# Altium PCB Main_Board.PcbDoc (part 16 of 19) (continued)
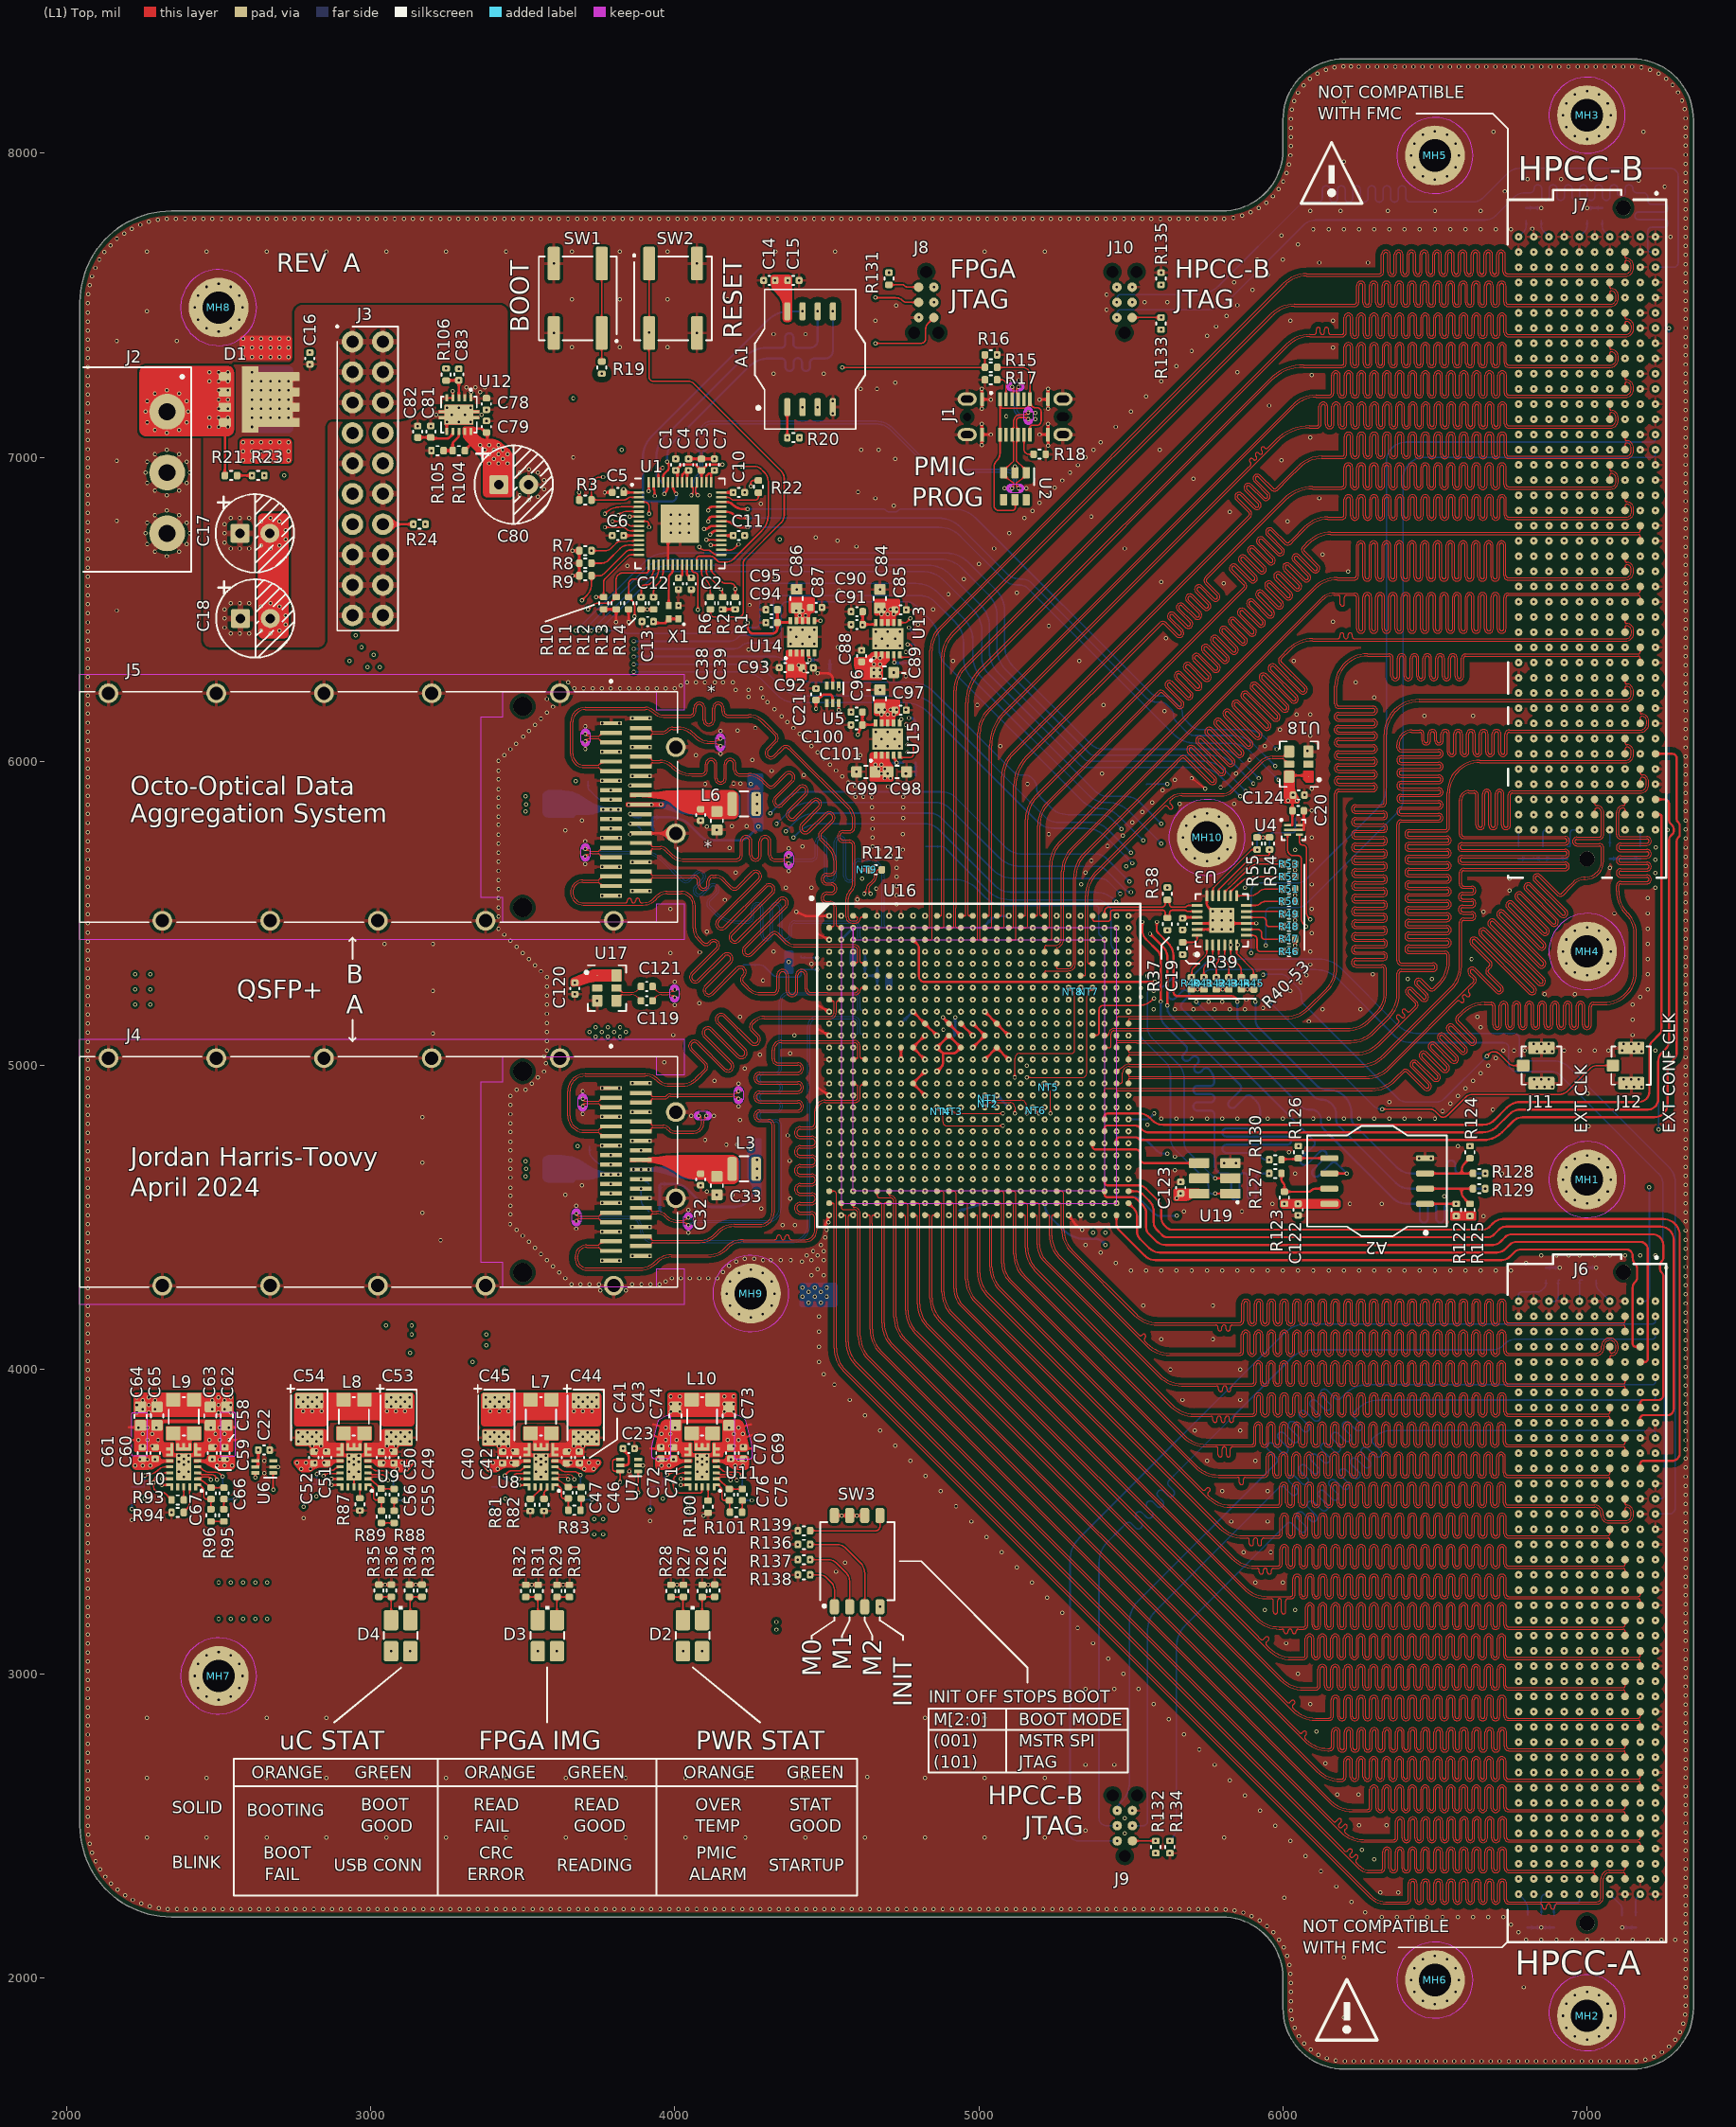
[diagram p0: (L1) Top view]
## Nets (pads, with @x,y where several pads share a name; then routed paths per layer and width w, separated by ;. In a path a pad name is that pad's centre, name@x,y a point inside that pad or via, vN(x,y) a via of type N, cw(c..) or ccw(c..) an arc to the next point about the centre after c; other vN are vias at no path point) (continued)
NetD3_4: D3.4 R31.2 R32.2 | length 117.4
  (L1) Top w5: R32.2@3509.97,3252.12 R31.2@3551,3252.12 ccw(c3554.61,3248.51) 3549.5,3248.51 D3.4@3549.5,3176.18
NetD4_2: D4.2 R33.2 R34.2 | length 119.1
  (L1) Top w5: D4.2@3130.15,3176.18 3130.15,3244.86 ccw(c3119.11,3244.86) R34.2@3126.92,3252.67 R33.2@3168.66,3252.67
NetD4_4: D4.4 R35.2 R36.2 | length 117.8
  (L1) Top w5: R35.2@3027.01,3252.67 R36.2@3068.04,3252.68 ccw(c3070.17,3250.55) 3067.16,3250.55 D4.4@3067.16,3176.18
NetJ1_A5: J1.A5 R17.2 | length 86.7
  (L1) Top w5: R17.2@5060.08,7255 5075,7255 cw(c5075,7240.53) 5089.47,7240.53 J1.A5@5089.47,7191.46
NetJ1_B5: J1.B5 R18.2 | length 88.9
  (L1) Top w5: J1.B5@5148.53,7074.54 5148.53,7026.47 ccw(c5165,7026.47) 5165,7010 R18.2@5179.92,7010
NetJ8_1: J8.1 R131.1 | length 99.9
  (L1) Top w5: R131.1@4704.41,7567.15 4749.8,7567.15 cw(c4749.8,7559.8) 4754.99,7565.01 4756.46,7563.54 ccw(c4765,7572.07) 4765,7560 4801.74,7560 J8.1@4802.08,7559.66
NetJ9_1: J9.1 R132.1 | length 76.7
  (L1) Top w5: J9.1@5505,2450 5574.43,2450 v1(5581.72,2450.08)
NetJ10_1: J10.1 R133.1 | length 95.6
  (L1) Top w5: J10.1@5504.01,7459.66 5504.08,7459.74 v1(5599.01,7459.74) R133.1@5599.01,7460.34
NetL7_1: L7.1 L7.2 U8.7
NetL8_1: L8.1 L8.2 U9.7
NetL9_1: L9.1 L9.2 U10.7
NetL10_1: L10.1 L10.2 U11.7
NetR6_1: R6.1 U1.26 | length 115.5
  (L1) Top w5: U1.26@4087.87,6646.67 4087.87,6622.22 ccw(c4112.22,6622.22) 4095,6605 4104.39,6595.61 cw(c4074.3,6565.51) 4116.86,6565.51 R6.1@4116.86,6540.31
NetR19_1: R19.1 SW1.1 SW1.2 | length 322.5
  (L1) Top w4: SW1.2@3759.61,7637.17 SW1.1@3759.61,7408.83 3759.61,7315.08 R19.1@3760,7315.08
NetR21_1: R21.1 R22.2 R23.2 | length 1960.9
  (L1) Top w5: v1(4250,6905) 4250,6915 cw(c4258.75,6915) 4258.75,6923.75 R22.2@4275,6923.75
  (L1) Top w8: R21.1@2560.63,6940 R23.2@2609.92,6940
  (L3) Inner 2 w4: v1(2610,6940) 2610,6925 ccw(c2625,6925) 2625,6910 2665,6910 ccw(c2665,6925) 2680,6925 2680,6930 cw(c2690,6930) 2690,6940 v1(2715,6940)
  (L3) Inner 2 w5: v1(2715,6940) 2877.93,6940 cw(c2877.93,6922.93) 2890,6935 ccw(c2901.49,6946.49) 2901.49,6930.24 3258.21,6930.24 cw(c3258.21,6878.21) 3295,6915 3359.39,6850.61 ccw(c3385,6876.21) 3385,6840 3571.72,6840 ccw(c3571.72,6908.28) 3620,6860 3654.39,6894.39 cw(c3680,6868.79) 3680,6905 3766.72,6905 cw(c3766.72,6827.49) 3821.52,6882.3 3904.45,6799.37 ccw(c3915,6809.92) 3915,6795 3930,6795 ccw(c3930,6805) 3940,6805 3940,6830 cw(c3960,6830) 3960,6850 4230,6850 ccw(c4230,6870) 4250,6870 v1(4250,6905)
NetR39_1: R39.1 U3.24 | length 65.1
  (L1) Top w5: R39.1@5670,5405.08 5703.12,5405.08 ccw(c5703.12,5421.88) 5715,5410 ccw(c5707.76,5417.24) 5718,5417.24 U3.24@5718,5427.94
NetR52_1: R52.1 U3.14 | length 203.3
  (L1) Top w5: U3.14@5828.24,5557.87 5828.33,5573.08 5828.92,5573.68 5864.59,5605.4 cw(c5900,5569.77) 5900,5620 5997.02,5620 ccw(c5997.02,5624.1) v1(5999.92,5621.2)
NetR53_1: R53.1 U3.15 | length 239.4
  (L1) Top w5: U3.15@5808.55,5557.87 5810.78,5573.08 5845,5605 5890.54,5650.54 cw(c5920.01,5621.08) 5920.01,5662.75 5998.68,5662.75 cw(c5998.68,5660.99) v1(5999.92,5662.24)
NetR80_1: R80.1 U8.4 | length 133.6
  (L1) Top w4: U8.4@3606.26,3680 3616.07,3677.08 3625,3669.89 ccw(c3637.07,3681.96) 3637.07,3664.89 ; 3638,3664.89 3665.27,3664.89 cw(c3665.27,3634.16) 3687,3655.89 v1(3690.29,3652.6)
  (L12) Bottom w4: R80.1@3690,3612.05 3690.29,3617.36 v1(3690.29,3652.6) cw(c3688.59,3650.89) v1@3691,3650.89
NetR81_2: R81.2 U8.15 | length 53.9
  (L1) Top w5: R81.2@3525,3574.88 3532.28,3580.19 3557.58,3604.74 U8.15@3560,3614.06
NetR82_2: R82.2 U8.16 | length 41.8
  (L1) Top w5: R82.2@3570,3574.88 3570,3593.59 cw(c3575,3593.59) 3571.02,3596.62 3577.26,3604.74 U8.16@3579.68,3614.06
NetR84_1: R84.1 R85.2 U8.10 | length 159.5
  (L1) Top w4: v1(3441,3651.89) 3451,3661.89 ; 3451.76,3662.65 cw(c3462,3652.4) 3462,3666.89 3487.76,3666.89 ; 3488,3666.89 3487.76,3666.89 ; U8.10@3513.74,3680 3503.93,3677.08 3495,3669.89 cw(c3487.76,3677.13) 3487.76,3666.89
  (L12) Bottom w4: R85.2@3398,3613.89 3439.49,3613.89 ccw(c3439.49,3618) R84.1@3442.4,3615.09 ; v1(3441,3651.89) 3441,3623.72 ccw(c3447.83,3623.72) R84.1@3443,3618.89
NetR86_1: R86.1 U9.4 | length 132
  (L1) Top w4: U9.4@2991.26,3680 3001.07,3677.08 3011.49,3669.89 ccw(c3016.32,3674.72) 3016.32,3667.89 ; 3016.49,3667.89 3033.45,3667.89 cw(c3033.45,3609.85) v1(3074.49,3650.89)
  (L12) Bottom w4: R86.1@3073.49,3609.97 ccw(c3071.08,3612.38) 3074.49,3612.38 v1(3074.49,3650.89)
NetR87_2: R87.2 U9.16 | length 37.3
  (L1) Top w4: R87.2@2964.49,3576.88 2964.68,3577.07 U9.16@2964.68,3614.06
NetR88_1: R88.1 R89.2 | length 41.7
  (L1) Top w4: R89.2@3035.42,3495.61 R88.1@3077.15,3495.61
NetR90_1: R90.1 R91.2 U9.10 | length 152.4
  (L1) Top w4: v1(2822.49,3656.89) 2827.49,3661.89 cw(c2844.39,3644.99) 2844.39,3668.89 2872.68,3668.89 ccw(c2872.68,3680.13) 2876.98,3669.75 ccw(c2870.72,3684.87) 2882.29,3673.29 cw(c2892.14,3663.45) 2887.51,3676.58 2888.93,3677.08 U9.10@2892.14,3677.37
  (L12) Bottom w4: R91.2@2779.49,3621.97 cw(c2781.91,3619.55) 2781.91,3622.97 R90.1@2821.49,3622.97 ccw(c2819.08,3625.38) 2822.49,3625.38 v1(2822.49,3656.89)
NetR92_1: R92.1 U10.4 | length 127.5
  (L1) Top w4: U10.4@2431.26,3680 2438.15,3680 2445.26,3672.89 ccw(c2469.4,3697.03) 2469.4,3662.89 2487.9,3662.89 cw(c2487.9,3635.58) 2507.21,3654.9 v1(2513.51,3648.6)
  (L12) Bottom w4: v1(2513.51,3648.6) 2513.51,3614.68 R92.1@2514.22,3613.97
NetR93_1: R93.1 U10.15 | length 42.9
  (L1) Top w4: U10.15@2385,3614.06 2385,3571.57 R93.1@2385.3,3571.27
NetR94_2: R94.2 U10.16 | length 90.4
  (L1) Top w4: R94.2@2385.3,3530.24 cw(c2390.4,3530.24) 2386.79,3533.84 2396.09,3543.14 ccw(c2375.34,3563.89) 2404.68,3563.89 U10.16@2404.68,3614.06
NetR95_1: R95.1 R96.2 | length 42.4
  (L1) Top w4: R96.2@2474.53,3500.54 R95.1@2516.94,3500.54
NetR97_1: R97.1 R98.2 U10.10 | length 167.6
  (L1) Top w4: v1@2258.22,3652.89 2258.76,3652.89 ccw(c2258.76,3714.35) 2302.22,3670.89 cw(c2324.21,3648.9) 2324.21,3680 U10.10@2338.74,3680
  (L12) Bottom w4: R98.2@2212.22,3614.89 2214.97,3614.9 2222.25,3614.94 2249.34,3614.94 R97.1@2256.62,3615.09 ; R97.1@2256.22,3616.89 2257.22,3617.89 v1(2257.22,3651.89)
NetR99_1: R99.1 U11.4 | length 135.5
  (L1) Top w4: U11.4@4136.26,3680 4146.07,3677.08 4152.51,3671.89 ccw(c4174.24,3693.62) 4174.24,3662.89 4201.51,3662.89 cw(c4201.51,3641.16) 4216.87,3656.53 v1(4221.51,3651.89)
  (L12) Bottom w4: R99.1@4221.51,3609.89 R99.1@4221.51,3609.97 v1(4221.51,3651.89)
NetR100_2: R100.2 U11.16 | length 44.3
  (L1) Top w4: R100.2@4109.51,3569.89 4109.51,3614.06 U11.16@4109.69,3614.06
NetR102_1: R102.1 R103.2 U11.10 | length 160.1
  (L1) Top w4: v1(3974.92,3654.53) 3989.38,3659.37 ccw(c3988.09,3663.15) 3989.56,3659.43 3995.2,3661.66 ccw(c3979.51,3704.76) 4011.94,3672.32 4012.51,3672.89 cw(c4029.68,3655.72) 4029.68,3680 U11.10@4043.74,3680
  (L12) Bottom w4: R103.2@3919.05,3614.94 R102.1@3960.28,3614.94 ; R102.1@3960.51,3615.89 3960.51,3630.89 cw(c3979.82,3630.89) 3966.17,3644.55 3966.2,3644.58 ccw(c3963.35,3647.39) 3966.36,3644.75 v1(3974.92,3654.53)
NetR104_1: R104.1 R105.2 U12.8 | length 100.3
  (L1) Top w8: R105.2@3239.79,7021.88 R104.1@3269.61,7021.88 3269.61,7042.81 cw(c3281.19,7042.81) 3273,7051 3287.17,7065.17 ccw(c3280.34,7072) 3290,7072 U12.8@3290,7084.88
NetR108_1: R108.1 R109.2 U13.4 | length 66.5
  (L1) Top w8: U13.4@4720.31,6350 4721.38,6348.93 4721.38,6326.55 v1(4722.45,6325.48)
  (L12) Bottom w8: v1(4722.45,6325.48) ccw(c4724.37,6325.48) 4724.37,6323.56 R109.2@4762.45,6323.56
NetR110_1: R110.1 R111.2 U14.4 | length 51.8
  (L1) Top w8: U14.4@4439.69,6356.85 4441.59,6349.04 v1(4442.71,6333.56)
  (L12) Bottom w8: v1(4442.71,6333.56) 4468.62,6333.56 cw(c4468.62,6332.1) R111.2@4470.08,6332.1
NetR111_1: R111.1 R112.2 | length 41
  (L12) Bottom w8: R112.2@4510.23,6291.07 R111.1@4510.23,6332.1
NetR114_1: R114.1 R115.2 U15.4 | length 59.3
  (L1) Top w8: U15.4@4719.69,6020 4721.59,6012.19 v1(4729.35,5995.3)
  (L12) Bottom w8: R114.1@4718.94,5995.13 4751.39,5995.13 R115.2@4751.39,5995.35
NetR115_1: R115.1 R116.2 | length 41
  (L12) Bottom w8: R116.2@4791.55,5954.31 R115.1@4791.55,5995.35
NetR139_2: R139.2 SW3.5 | length 273.9
  (L1) Top w4: R139.2@4445.08,3470 4660,3470 ccw(c4660,3485) 4675,3485 4675,3520 SW3.5@4674.61,3520
NetTP3_1: TP3.1 U1.24 | length 160.8
  (L1) Top w5: U1.24@4057.81,6645.23 U1.24@4056.37,6646.67 4056.37,6629.63 ccw(c4065,6629.63) 4065,6621 cw(c4065,6610.24) 4075.76,6610.24 v1(4075.76,6499)
NetTP4_1: TP4.1 U1.25 | length 569.7
  (L1) Top w5: U1.25@4072.12,6646.67 4072.12,6667.12 cw(c4080,6667.12) 4080,6675 4117.93,6675 cw(c4117.93,6657.93) 4130,6670 4141.46,6658.54 ccw(c4150,6667.07) 4150,6655 4167.93,6655 ccw(c4167.93,6690.24) 4192.85,6665.32 4284.07,6756.55 ccw(c4227.74,6812.88) 4307.41,6812.88 4307.41,6920.05 ccw(c4265.05,6920.05) 4295,6950 4282.07,6962.93 ccw(c4265,6945.86) 4265,6970 v1(4220,6970)
NetTP9_1: TP9.1 U16.C24 | length 712.1
  (L3) Inner 2 w4: v1@5413.39,5413 v1(5413.39,5413.39)
  (L12) Bottom w4: TP9.1@4825,5611.12 4922.46,5611.12 cw(c4922.46,5511.12) 4993.17,5581.83 5020.71,5554.29 ccw(c5091.42,5625) 5091.42,5525 5385,5525 cw(c5385,5515) 5395,5515 5395,5435 ccw(c5402.79,5435) 5397.28,5429.49 v1(5413.39,5413.39)
NetTP10_1: TP10.1 U16.D21 | length 827.3
  (L3) Inner 2 w4: v1(5295.28,5374.02) 5290.98,5374.02 cw(c5290.98,5390) 5275,5390 5275,5638.58 cw(c5375,5638.58) 5303.5,5708.49 5490.72,5895.71 cw(c5561.43,5825) 5561.43,5925 v1(5620,5925)
  (L12) Bottom w4: TP10.1@5550.29,5923.91 cw(c5552.91,5921.29) 5552.91,5925 v1(5620,5925)
NetTP12_1: TP12.1 U16.D25 | length 833.4
  (L12) Bottom w4: TP12.1@4825,5720 4875,5720 cw(c4875,5695.86) 4892.07,5712.93 5030.71,5574.29 ccw(c5101.42,5645) 5101.42,5545 5385,5545 cw(c5385,5496.72) 5419.14,5530.86 5427.93,5522.07 cw(c5410.86,5505) 5435,5505 5435,5405 ccw(c5466.94,5405) 5444.35,5382.42 v1(5452.76,5374.02)
OSC_PROG_I2C_SCL: R51.1 U3.13 U19.2 | length 1780.1
  (L1) Top w5: v1(5777,4629) U19.2@5827.18,4629 ; U3.13@5847.92,5557.87 5890.71,5557.87 ccw(c5890.71,5599.29) 5920,5570 cw(c5944.55,5545.45) 5944.55,5580.17 v1(5999.92,5580.17)
  (L3) Inner 2 w5: v1(5555,5295) 5615,5295 cw(c5615,5280) 5630,5280 5630,5250 ccw(c5647,5250) 5647,5233 5933,5233 ccw(c5933,5260.55) 5960.55,5260.55 5960.55,5565.55 cw(c5975,5565.55) 5975,5580 5999.92,5580 v1(5999.92,5580.17)
  (L12) Bottom w5: v1(5555,5295) 5555,5125.26 ccw(c5603.62,5125.14) 5569.34,5090.66 5655.82,5004.18 5655.87,5004.12 ; 5655.87,5004.13 cw(c5609.82,4958) 5675,4957.92 ; 5675,4745.02 ccw(c5711.27,4745.02) 5685.62,4719.38 5685.66,4719.34 v1@5775,4630 ; 5675,4745.05 5675,4957.87
OSC_PROG_I2C_SDA: R50.1 U3.12 U19.1 | length 1807.1
  (L1) Top w5: v1(5777,4579) U19.1@5827.18,4579 ; U3.12@5879.42,5526.37 5911.41,5526.37 ccw(c5911.41,5545.59) 5925,5532 cw(c5942.22,5514.78) 5942.22,5539.13 v1(5999.88,5539.13)
  (L3) Inner 2 w5: v1(5532.52,5225.6) 5532.52,5177.48 ccw(c5550,5177.48) 5550,5160 5906.72,5160 ccw(c5906.72,5216.21) 5946.46,5176.46 5991.46,5221.46 ccw(c5970.86,5242.07) 6000,5242.07 6000,5257.93 ccw(c5982.93,5257.93) 5995,5270 5987.07,5277.93 cw(c6004.14,5295) 5980,5295 5980,5530 cw(c5990,5530) 5990,5540 5999.01,5540 cw(c5999.01,5539.13) v1(5999.88,5539.13)
  (L12) Bottom w5: v1(5532.52,5225.6) 5532.52,5102.89 ccw(c5557.65,5102.89) 5539.88,5085.12 5614.63,5010.37 cw(c5577.63,4973.31) 5630,4973.33 5630,4973.26 5630,4761.08 ; 5630,4761.05 ccw(c5680.75,4761.02) 5644.9,4725.1 5744.39,4625.61 cw(c5718.79,4600) 5755,4600 5755,4590 ccw(c5767,4590) 5767,4578 v1@5777,4578
PMIC_1V0_COMP: C47.1 R83.1 U8.1 | length 116.1
  (L1) Top w5: U8.1@3606.26,3620.94 3615.57,3618.52 3623,3612.89 3623.46,3612.43 cw(c3614.93,3603.89) 3627,3603.89 3627,3583.89 ccw(c3635,3583.89) 3635,3575.89 C47.1@3649.73,3575.89 ; R83.1@3649.92,3537.55 3649.73,3537.73 C47.1@3649.73,3575.89 ; C47.1@3651,3575.89 C47.1@3649.73,3575.89
PMIC_1V8_COMP: C56.1 R89.1 U9.1 | length 116.7
  (L1) Top w4: U9.1@2991.26,3620.94 3001.07,3618.02 3006.49,3612.89 cw(c2999.25,3605.65) 3009.49,3605.65 ; 3009.49,3604.89 3009.49,3580.59 ccw(c3019.08,3580.59) 3019.08,3570.99 C56.1@3034.73,3570.99 3035.42,3570.99 R89.1@3035.42,3535.77
PMIC_2V5_COMP: C67.1 R96.1 U10.1 | length 112.4
  (L1) Top w4: U10.1@2431.26,3620.94 2441.07,3618.02 2447.22,3611.89 cw(c2437.56,3602.23) 2451.22,3602.23 2451.22,3582.28 ccw(c2459.36,3582.28) 2459.36,3574.14 2475.22,3574.14 C67.1@2475.22,3573.99 2474.53,3573.99 R96.1@2474.53,3540.69
PMIC_3V3_COMP: C76.1 R101.1 U11.1 | length 122.5
  (L1) Top w4: U11.1@4136.26,3620.94 4146.07,3618.02 4152.51,3610.89 cw(c4145.27,3603.65) 4155.51,3603.65 ; 4155.51,3602.89 4155.51,3576.89 ccw(c4162.51,3576.89) 4162.51,3569.89 4179.51,3569.89 cw(c4179.51,3568.89) C76.1@4180.51,3568.89 ; C76.1@4179.73,3569.49 cw(c4179.73,3568.72) 4180.51,3568.72 R101.1@4180.51,3530.89
POWER_I2C_SCL: J3.11 R1.1 U1.28 U5.1 U6.1 U7.1 U8.13 U9.13 U10.13 U11.13 | length 10312.3
  (L1) Top w5: v1(2313.22,3619.89) 2313.75,3620.42 2338.21,3620.42 U10.13@2338.74,3620.94 ; U6.1@2679.13,3660.32 2679.13,3605.87 ccw(c2680,3605.87) v1(2680,3605) ; v1(2871.49,3619.89) 2872.02,3620.42 2898.21,3620.42 U9.13@2898.74,3620.94 ; v1(3488.07,3619.8) 3504.43,3619.8 U8.13@3513.74,3620.94 ; U7.1@3879.13,3665.32 cw(c3879.13,3664.45) 3880,3664.45 v1(3880,3595) ; v1(4020.51,3619.89) 4021.04,3620.42 4043.21,3620.42 U11.13@4043.74,3620.94 ; U1.28@4119.36,6646.67 4119.36,6633.61 ccw(c4138.61,6633.61) 4125,6620 4152.93,6592.07 ccw(c4170,6609.14) 4170,6585 4185,6585 cw(c4185,6571.07) 4198.93,6571.07 R1.1@4198.93,6540.31 ; U5.1@4539.37,6250 4539.37,6237.56 v1(4539.51,6237.55)
  (L3) Inner 2 w5: J3.11@2940,6880 2855,6880 ccw(c2855,6850) 2825,6850 2825,6430.36 cw(c2739.64,6430.36) 2800,6370 2764.29,6334.29 ccw(c2835,6263.58) 2735,6264.57 2735,4200 cw(c2720,4200) 2720,4185 2170,4185 ccw(c2170,4165) 2150,4165 2150,3620 ccw(c2175,3620) 2175,3595 2288.33,3595 ccw(c2288.33,3619.89) v1(2313.22,3619.89) 2320.11,3619.89 cw(c2320.11,3610) 2330,3610 2330,3570 ccw(c2343.42,3570) 2343.42,3556.58 2651.58,3556.58 ccw(c2651.58,3585) 2680,3585 v1(2680,3605) 2835.54,3605 ccw(c2835.54,3655.84) v1(2871.49,3619.89) 2875.11,3619.89 cw(c2875.11,3610) 2885,3610 ccw(c2941.93,3610) 2941.93,3553.07 2962.61,3553.07 ccw(c2962.58,3558.07) 2963,3553.09 cw(c2964.49,3536.72) 2965.98,3553.09 ccw(c2966.4,3558.07) 2966.37,3553.07 3461.6,3553.07 ccw(c3461.6,3579.13) 3487.66,3579.13 3487.66,3619.8 v1(3488.07,3619.8) 3490.2,3619.8 cw(c3490.2,3605) 3505,3605 ccw(c3554.62,3605) 3554.62,3555.38 3749.9,3555.38 3767.4,3555.38 cw(c3767.4,3547.88) 3774.9,3547.88 ; 3774.9,3547.87 ccw(c3782.4,3547.87) 3789.9,3547.87 3789.9,3548.42 cw(c3797.4,3548.42) 3804.9,3548.42 3804.9,3547.87 ccw(c3812.4,3547.87) 3819.9,3547.87 ; 3819.9,3547.88 cw(c3827.4,3547.88) 3827.4,3555.38 3849.54,3555.38 3850.38,3555.38 ccw(c3850.38,3585) 3880,3585 v1(3880,3595) 4010,3595 ccw(c4010,3605) 4020,3605 4020,3619.89 v1(4020.51,3619.89) ; v1(4539.51,6237.55) 4539.51,6237.22 ccw(c4544.07,6237.22) v1@4540.84,6234
  (L10) Inner 9 w5: J3.11@2940,6880 2870,6880 ccw(c2870,6850) 2840,6850 2840,6400 cw(c2815.86,6400) 2832.93,6382.93 2780,6330 ccw(c2840.36,6269.64) 2755,6269.64 2755,6165 ccw(c2810,6165) 2810,6110 3340,6110 ccw(c3340,6158.28) 3374.14,6124.14 3525,6275 cw(c3549.14,6250.86) 3549.14,6285 3640,6285 cw(c3640,6236.72) 3674.14,6270.86 3675,6270 ccw(c3706.65,6301.65) 3706.65,6256.89 3978.35,6256.89 ccw(c3978.35,6301.65) 4010,6270 cw(c4034.14,6245.86) 4034.14,6280 4100,6280 cw(c4100,6265) 4115,6265 4115,6160 ccw(c4140,6160) 4140,6135 4300,6135 ccw(c4300,6171.21) 4325.61,6145.61 4328.54,6148.54 4345,6165 cw(c4357.07,6152.93) 4357.07,6170 4360,6170 cw(c4360,6133.79) 4385.61,6159.39 4445,6100 ccw(c4505.36,6160.36) 4505.36,6075 4529.64,6075 ccw(c4529.64,6160.36) 4590,6100 ccw(c4565.86,6124.14) 4600,6124.14 4600,6170 ccw(c4582.94,6170) 4595,6182.06 v1(4539.51,6237.55) ; v1(4199.39,6567.12) ccw(c4287.53,6567.12) 4225,6505 ; v1@4540,6240 ccw(c4520,6240) 4520,6260 4460.83,6260 4450.26,6260 cw(c4450.26,6267.5) 4442.76,6267.5 4442.76,6270.09 ccw(c4435.26,6270.09) 4427.76,6270.09 4427.76,6265.44 cw(c4420.26,6265.44) 4412.76,6265.44 4412.76,6270.09 ccw(c4405.26,6270.09) 4397.76,6270.09 4397.76,6267.5 cw(c4390.26,6267.5) 4390.26,6260 4387.76,6260 4376.42,6260 cw(c4376.42,6360) 4305.71,6289.29 4274.14,6320.86 cw(c4308.28,6355) 4260,6355 4260,6460 ccw(c4235.86,6460) 4252.93,6477.07 4225.18,6504.82 ; 4225,6505 ccw(c4287.53,6567.12) 4225.18,6504.82 ; 4225,6505 4225.18,6504.82
POWER_I2C_SDA: J3.13 R2.1 U1.27 U5.6 U6.6 U7.4 U7.6 U8.12 U9.12 U10.12 U11.12 | length 10306.4
  (L1) Top w4: v1@2313.48,3640.63 v1(2313.48,3640.72) ; v1(2620,3645) ccw(c2620,3645.87) 2620.87,3645.87 U6.6@2620.87,3660.32 ; v1(2871.49,3640.72) v1(2871.49,3640.72) ; U9.12@2898.7,3640.67 U9.12@2898.74,3640.63 ; v1(3820,3630) 3820,3664.45 cw(c3820.87,3664.45) U7.6@3820.87,3665.32 3804.68,3665.32 cw(c3804.68,3675) 3795,3675 3795,3695 cw(c3805,3695) 3805,3705 3820.87,3705 U7.4@3820.87,3704.68 ; v1@4020.25,3640.63 v1(4020.25,3640.72)
  (L1) Top w5: v1@2313.48,3640.63 U10.12@2338.74,3640.63 ; v1(2871.49,3640.72) U9.12@2898.7,3640.67 ; v1(3487.79,3640.63) U8.12@3513.74,3640.63 ; v1@4020.25,3640.63 U11.12@4043.74,3640.63 ; U1.27@4103.61,6646.67 4103.61,6625.42 ccw(c4125.42,6625.42) 4110,6610 4147.89,6572.11 ; 4147.94,6572.06 cw(c4123.87,6548.01) 4157.89,6548.01 4157.89,6545.63 R2.1@4157.89,6540.31 ; v1(4539.44,6168.16) U5.6@4539.37,6191.73
  (L3) Inner 2 w4: 2180,3695 ccw(c2207.11,3695) 2207.11,3667.89 2286.3,3667.89 cw(c2286.3,3640.72) v1(2313.48,3640.72) 2329.28,3640.72 cw(c2329.28,3620) 2350,3620 2350,3600 ccw(c2360,3600) 2360,3590 2530,3590 2532,3590 ccw(c2532,3597) 2539,3597 2539,3610.91 cw(c2546,3610.91) 2553,3610.91 2553,3596.58 ccw(c2560,3596.58) 2567,3596.58 2567,3610.91 cw(c2574,3610.91) 2581,3610.91 2581,3597 ccw(c2588,3597) 2588,3590 2595,3590 2598.37,3590.23 ccw(c2595,3615) 2600.37,3590.58 ccw(c2595,3615) 2620,3615 v1(2620,3645) 2637.93,3645 cw(c2637.93,3627.93) 2650,3640 2651.46,3638.54 ccw(c2660,3647.07) 2660,3635 2843.28,3635 cw(c2843.25,3631) 2843.66,3634.98 ccw(c2845.42,3650.82) 2845.59,3634.88 2857.65,3635 ; 2857.69,3635 ccw(c2857.69,3654.52) v1(2871.49,3640.72) 2894.28,3640.72 cw(c2894.28,3620) 2915,3620 ccw(c2949.17,3620) 2949.17,3585.83 3389.41,3585.83 ccw(c3389.41,3685.83) 3460.12,3615.12 3484.1,3639.1 cw(c3487.79,3635.42) v1(3487.79,3640.63) 3509.37,3640.63 cw(c3509.37,3620) 3530,3620 ccw(c3562.1,3620) 3562.1,3587.9 3797.9,3587.9 ccw(c3797.9,3610) 3820,3610 v1(3820,3630) 3954.79,3630 ccw(c3954.79,3673.76) 3985.73,3642.82 cw(c4003.08,3625.47) 4003.08,3650 cw(c4003.08,3630.96) 4016.54,3644.42 v1(4020.25,3640.72)
  (L3) Inner 2 w5: 2180,3695 2180,4135 cw(c2200,4135) 2200,4155 2264.72,4155 2282.22,4155 cw(c2282.22,4147.5) 2289.72,4147.5 2289.72,4127.5 ccw(c2297.22,4127.5) 2304.72,4127.5 2304.72,4147.78 cw(c2312.22,4147.78) 2319.72,4147.78 2319.72,4127.5 ccw(c2327.22,4127.5) 2334.72,4127.5 2334.72,4147.78 cw(c2342.22,4147.78) 2349.72,4147.78 2349.72,4127.5 ccw(c2357.22,4127.5) 2364.72,4127.5 2364.72,4147.78 cw(c2372.22,4147.78) 2379.72,4147.78 2379.72,4127.5 ccw(c2387.22,4127.5) 2394.72,4127.5 2394.72,4147.5 cw(c2402.22,4147.5) 2402.22,4155 2436.22,4155 2755,4155 ccw(c2755,4175) 2775,4175 2775,6261.72 cw(c2843.28,6261.72) 2795,6310 2840,6355 ccw(c2779.64,6415.36) 2865,6415.36 2865,6755 cw(c2890,6755) 2890,6780 J3.13@2940,6780
  (L10) Inner 9 w5: J3.13@2940,6780 2890,6780 ccw(c2890,6755) 2865,6755 2865,6395 cw(c2828.79,6395) 2854.39,6369.39 2795,6310 ccw(c2831.21,6273.79) 2780,6273.79 2780,6165 ccw(c2810,6165) 2810,6135 2867.09,6135 2905.99,6135 ccw(c2905.99,6142.5) 2913.49,6142.5 2913.49,6168.86 cw(c2920.99,6168.86) 2928.49,6168.86 2928.49,6141.78 ccw(c2935.99,6141.78) 2943.49,6141.78 2943.49,6168.86 cw(c2950.99,6168.86) 2958.49,6168.86 2958.49,6141.78 ccw(c2965.99,6141.78) 2973.49,6141.78 2973.49,6168.86 cw(c2980.99,6168.86) 2988.49,6168.86 2988.49,6141.78 ccw(c2995.99,6141.78) 3003.49,6141.78 3003.49,6168.86 cw(c3010.99,6168.86) 3018.49,6168.86 3018.49,6141.78 ccw(c3025.99,6141.78) 3033.49,6141.78 3033.49,6168.86 cw(c3040.99,6168.86) 3048.49,6168.86 3048.49,6142.5 ccw(c3055.99,6142.5) 3055.99,6135 3073.49,6135 3330,6135 ccw(c3330,6183.28) 3364.14,6149.14 3510,6295 cw(c3546.21,6258.79) 3546.21,6310 3648.79,6310 cw(c3648.79,6258.79) 3685,6295 ccw(c3727.24,6337.24) 3727.24,6277.5 3974.16,6277.5 ccw(c3974.16,6297.63) 3988.4,6283.4 3988.79,6283.79 cw(c4040,6232.57) 4040,6305 4160,6305 cw(c4160,6290) 4175,6290 4175,6180 ccw(c4190,6180) 4190,6165 4286.53,6165 ccw(c4286.53,6193.24) 4306.5,6173.27 4316.58,6183.07 ccw(c4305.15,6194.89) 4316.72,6183.21 cw(c4328.38,6171.62) 4317.52,6183.96 4324.71,6190.32 4328.35,6193.96 cw(c4355,6167.31) 4355,6205 cw(c4355,6108.43) 4423.28,6176.72 4470,6130 ccw(c4494.14,6154.14) 4494.14,6120 4505.86,6120 ccw(c4505.86,6154.14) 4530,6130 ccw(c4507.21,6152.79) 4539.44,6152.79 v1(4539.44,6168.16) 4510.19,6197.41 ccw(c4443.58,6130.79) 4443.58,6225 4365.11,6225 cw(c4365.11,6301.62) 4310.93,6247.44 4235.29,6323.08 cw(c4272.21,6360) 4220,6360 4220,6445 ccw(c4195.86,6445) 4212.93,6462.07 4181.05,6493.95 cw(c4251.76,6564.66) 4151.76,6564.66 v1(4151.76,6566.19)
  (L12) Bottom w4: v1@2313.39,3640.72 v1(2313.48,3640.72) ; v1@4019.51,3639.98 cw(c4020.25,3639.98) v1(4020.25,3640.72)
  (L12) Bottom w5: v1@3486,3639.89 cw(c3487.79,3638.1) v1(3487.79,3640.63)
PROG_OSC_OUT: U16.Y23 U19.4 | length 399.2
  (L1) Top w7: U16.Y23@5374.02,4744.09 5374,4733 ccw(c5382.97,4733) 5382.97,4724.03 5515.97,4724.03 cw(c5515.97,4710) 5530,4710 5530,4695 ccw(c5546,4695) 5546,4679 U19.4@5724.82,4679
PWR_INMOD_RES: J3.14 R24.1 U1.34 | length 2002.6
  (L1) Top w8: J3.14@3040,6780 v1(3139.92,6780) ; v1(4116,6746) 4123,6753 cw(c4135.98,6740.02) 4135.98,6758.38 U1.34@4152.33,6758.38
  (L3) Inner 2 w5: v1(3825,7025) 4320,7025 cw(c4320,7000) 4345,7000 v1(4345,6730)
  (L8) Inner 7 w5: v1(3139.92,6780) 3140,6780 3140,6795 cw(c3160,6795) 3160,6815 3560,6815 ccw(c3560,6875.36) 3602.68,6832.68 3773.79,7003.79 cw(c3825,6952.57) v1(3825,7025) ; v1(4116,6746) 4133.44,6746 cw(c4133.44,6708.44) 4160,6735 4200,6695 ccw(c4212.07,6707.07) 4212.07,6690 4290.86,6690 ccw(c4290.86,6724.14) 4315,6700 v1(4345,6730)
PWR_INPUT_SENSE: R22.1 U1.41 | length 146.7
  (L1) Top w5: U1.41@4152.33,6868.61 4172.86,6868.61 cw(c4172.86,6852.86) 4184,6864 ccw(c4196.07,6876.07) 4196.07,6859 4264,6859 ccw(c4264,6870) 4275,6870 R22.1@4275,6883.59 cw(c4273.56,6882.16) R22.1@4275.6,6882.16
QSFP_A_I2C_SCL: J4.11 R45.1 U3.6 | length 3627.7
  (L1) Top w5: U3.6@5847.92,5396.45 5847.92,5367.85 5852.99,5362.78 5897.98,5317.78 cw(c5884.64,5304.44) 5903.51,5304.44 5903.51,5291.5 ccw(c5905.63,5291.5) R45.1@5904.13,5290 ; U3.6@5847.93,5396.46 v1(5852.35,5396.46)
  (L3) Inner 2 w5: v1(3790.16,4610.63) 3790.16,4610 3745,4610 cw(c3745,4625) 3730,4625 3730,4935 cw(c3765,4935) 3765,4970 3995,4970 ccw(c3995,5005) 4030,5005 4030,5645 cw(c4075,5645) 4075,5690 4250,5690 ccw(c4250,5774.5) 4309.75,5714.75 v1(4365,5770)
  (L8) Inner 7 w5: v1(5465,5565) ccw(c5480,5565) 5480,5550 5600,5550 cw(c5600,5510.65) 5639.35,5510.65 5639.35,5430 ccw(c5654.35,5430) 5654.35,5415 5843.42,5415 cw(c5843.42,5406.51) 5851.91,5406.51 5851.91,5396.46 v1(5852.35,5396.46)
  (L12) Bottom w5: v1(4365,5770) 4395.71,5800.71 cw(c4466.42,5730) 4466.42,5830 4838.79,5830 cw(c4838.79,5778.79) 4874.99,5815.01 5045.71,5644.29 ccw(c5116.42,5715) 5116.42,5615 5401.76,5615 cw(c5401.76,5583.04) 5424.36,5605.64 v1(5465,5565)
QSFP_A_I2C_SDA: J4.12 R44.1 U3.5 | length 3621.6
  (L1) Top w5: v1(5828,5396) U3.5@5828.24,5396.24 ; U3.5@5828.24,5396.45 U3.5@5828.24,5396.24 ; R44.1@5863.1,5290.08 5863.1,5311.48 5863.05,5311.53 ccw(c5837.9,5311.53) 5855.69,5329.31 5835,5350 cw(c5851.33,5366.33) 5828.24,5366.33 U3.5@5828.24,5396.24
  (L3) Inner 2 w5: v1(3790.16,4579.13) cw(c3791.02,4579.13) 3791.02,4580 3825,4580 ccw(c3825,4595) 3840,4595 3840,4675 cw(c3855,4675) 3855,4690 3935,4690 ccw(c3935,4705) 3950,4705 3950,4722.78 3950,4740.28 cw(c3957.5,4740.28) 3957.5,4747.78 3991.35,4747.78 ccw(c3991.35,4755.28) 3991.35,4762.78 3956.91,4762.78 cw(c3956.91,4770.28) 3956.91,4777.78 3991.35,4777.78 ccw(c3991.35,4785.28) 3991.35,4792.78 3957.5,4792.78 cw(c3957.5,4800.28) 3950,4800.28 3950,4836.12 3950,4915 cw(c3975,4915) 3970.12,4939.52 cw(c3975,4915) 3973.12,4939.93 cw(c3975,4915) 3975,4940 4030,4940 ccw(c4030,4970) 4035.57,4940.52 ccw(c4030,4970) 4038.57,4941.25 ccw(c4030,4970) 4060,4970 4060,5630 cw(c4095,5630) 4095,5665 4253.58,5665 ccw(c4253.58,5765) 4324.29,5694.29 4372.93,5742.93 cw(c4390,5725.86) v1(4390,5750)
  (L8) Inner 7 w5: v1(5452.07,5537.78) 5577.22,5537.78 cw(c5577.22,5512.68) 5602.32,5512.68 5602.32,5412.68 ccw(c5620,5412.68) 5620,5395 5827,5395 ccw(c5827,5396) v1(5828,5396)
  (L12) Bottom w5: v1(4390,5750) 4405.71,5765.71 cw(c4476.42,5695) 4476.42,5795 4821.72,5795 cw(c4821.72,5726.72) 4870,5775 5055.25,5589.75 ccw(c5102.93,5637.43) 5102.93,5570 5385,5570 cw(c5385,5485.87) 5444.49,5545.36 v1(5452.07,5537.78)
QSFP_A_IntL/R\x\L\o\s\: J4.28 R60.1 U16.K22 | length 7003.8
  (L8) Inner 7 w5: v1(3700,6430) 3700,6415 cw(c3685,6415) 3685,6400 3245,6400 ccw(c3245,6300) 3145,6300 3145,4975 ccw(c3181.21,4975) 3155.61,4949.39 3225.01,4879.99 cw(c3188.79,4843.79) 3240,4843.79 3240,4575 ccw(c3260,4575) 3260,4555 3645.86,4555 ccw(c3645.86,4589.14) 3670,4565 cw(c3694.14,4540.86) 3694.14,4575 3750,4575 cw(c3750,4550.86) 3767.07,4567.93 3767.93,4567.07 ccw(c3785,4584.14) 3785,4560 3795,4560 ccw(c3795,4575) 3810,4575 3810,4610 cw(c3826.38,4610) 3826.38,4626.38 v1(3888.58,4626.38)
  (L10) Inner 9 w5: v1(5334.65,5137.8) 5342.8,5137.8 ccw(c5342.8,5150) 5355,5150 5355,5518.58 cw(c5455,5518.58) 5384.29,5589.29 5457.22,5662.22 cw(c5506.14,5613.3) 5506.14,5682.48 ; 5507.15,5682.6 ccw(c5507.15,5707.82) 5524.98,5689.98 5614.39,5779.39 ccw(c5588.79,5805) 5625,5805 5625,5845.86 cw(c5659.14,5845.86) 5635,5870 5635.86,5870.86 cw(c5670,5836.72) 5670,5885 5779.64,5885 ccw(c5779.64,5970.36) 5840,5910 5852.93,5922.93 cw(c5863.96,5911.89) 5863.96,5927.5 v1(5902.5,5927.5)
  (L12) Bottom w5: v1(3700,6430) 3905.71,6635.71 cw(c3976.42,6565) 3976.42,6665 4873.58,6665 cw(c4873.58,6565) 4944.29,6635.71 5030.71,6549.29 cw(c4960,6478.58) 5060,6478.58 5060,6371.42 ccw(c5160,6371.42) 5089.29,6300.71 5362.93,6027.07 ccw(c5380,6044.14) 5380,6020 5768.58,6020 cw(c5768.58,5920) 5839.29,5990.71 v1(5902.5,5927.5) ; v1(3888.58,4626.38) 3909.61,4617.28 R60.1@3914.92,4610
QSFP_A_LPMode/TxDis: J4.31 U16.L23 | length 6355.1
  (L1) Top w5: U16.L23@5374.02,5098.43 5374.95,5099.36 5387,5099.36 ccw(c5387,5107.36) 5395,5107.36 5395,5183.7 cw(c5408.66,5183.7) 5408.66,5197.36 5525.99,5197.36 ccw(c5525.99,5261.01) 5571,5216 v1(5576,5221)
  (L8) Inner 7 w5: v1(3775,6430) 3775,6370 cw(c3760,6370) 3760,6355 3400,6355 ccw(c3400,6255) 3300,6255 3300,4805 ccw(c3340,4805) 3340,4765 3815,4765 cw(c3815,4740) 3840,4740 ccw(c3859.13,4740) 3859.13,4720.87 v1(3888.58,4720.87) ; v1(5600,5795) 5610,5795 cw(c5610,5785) 5620,5785 5620,5700 ccw(c5680.36,5700) 5637.68,5657.32 5680.71,5614.29 ccw(c5751.42,5685) 5751.42,5585 v1(5875,5585)
  (L10) Inner 9 w5: v1(5576,5221) 5622.32,5267.32 ccw(c5579.64,5310) 5640,5310 5640,5515 cw(c5665,5515) 5665,5540 5855,5540 ccw(c5855,5560) 5875,5560 v1(5875,5585)
  (L12) Bottom w5: v1(3775,6430) 3822.93,6430 cw(c3822.93,6412.93) 3835,6425 ccw(c3847.07,6437.07) 3847.07,6420 4177.93,6420 ccw(c4177.93,6437.07) 4190,6425 4194.39,6429.39 cw(c4220,6403.79) 4220,6440 4265,6440 ccw(c4265,6455) 4280,6455 4280,6550 cw(c4315,6550) 4315,6585 4793.58,6585 cw(c4793.58,6485) 4864.29,6555.71 4950.71,6469.29 cw(c4880,6398.58) 4980,6398.58 4980,6346.42 ccw(c5080,6346.42) 5009.29,6275.71 5382.32,5902.68 ccw(c5425,5945.36) 5425,5885 5481.72,5885 cw(c5481.72,5816.72) 5530,5865 v1(5600,5795)